# Altium PCB RFMC.PcbDoc (part 1 of 5) (continued)
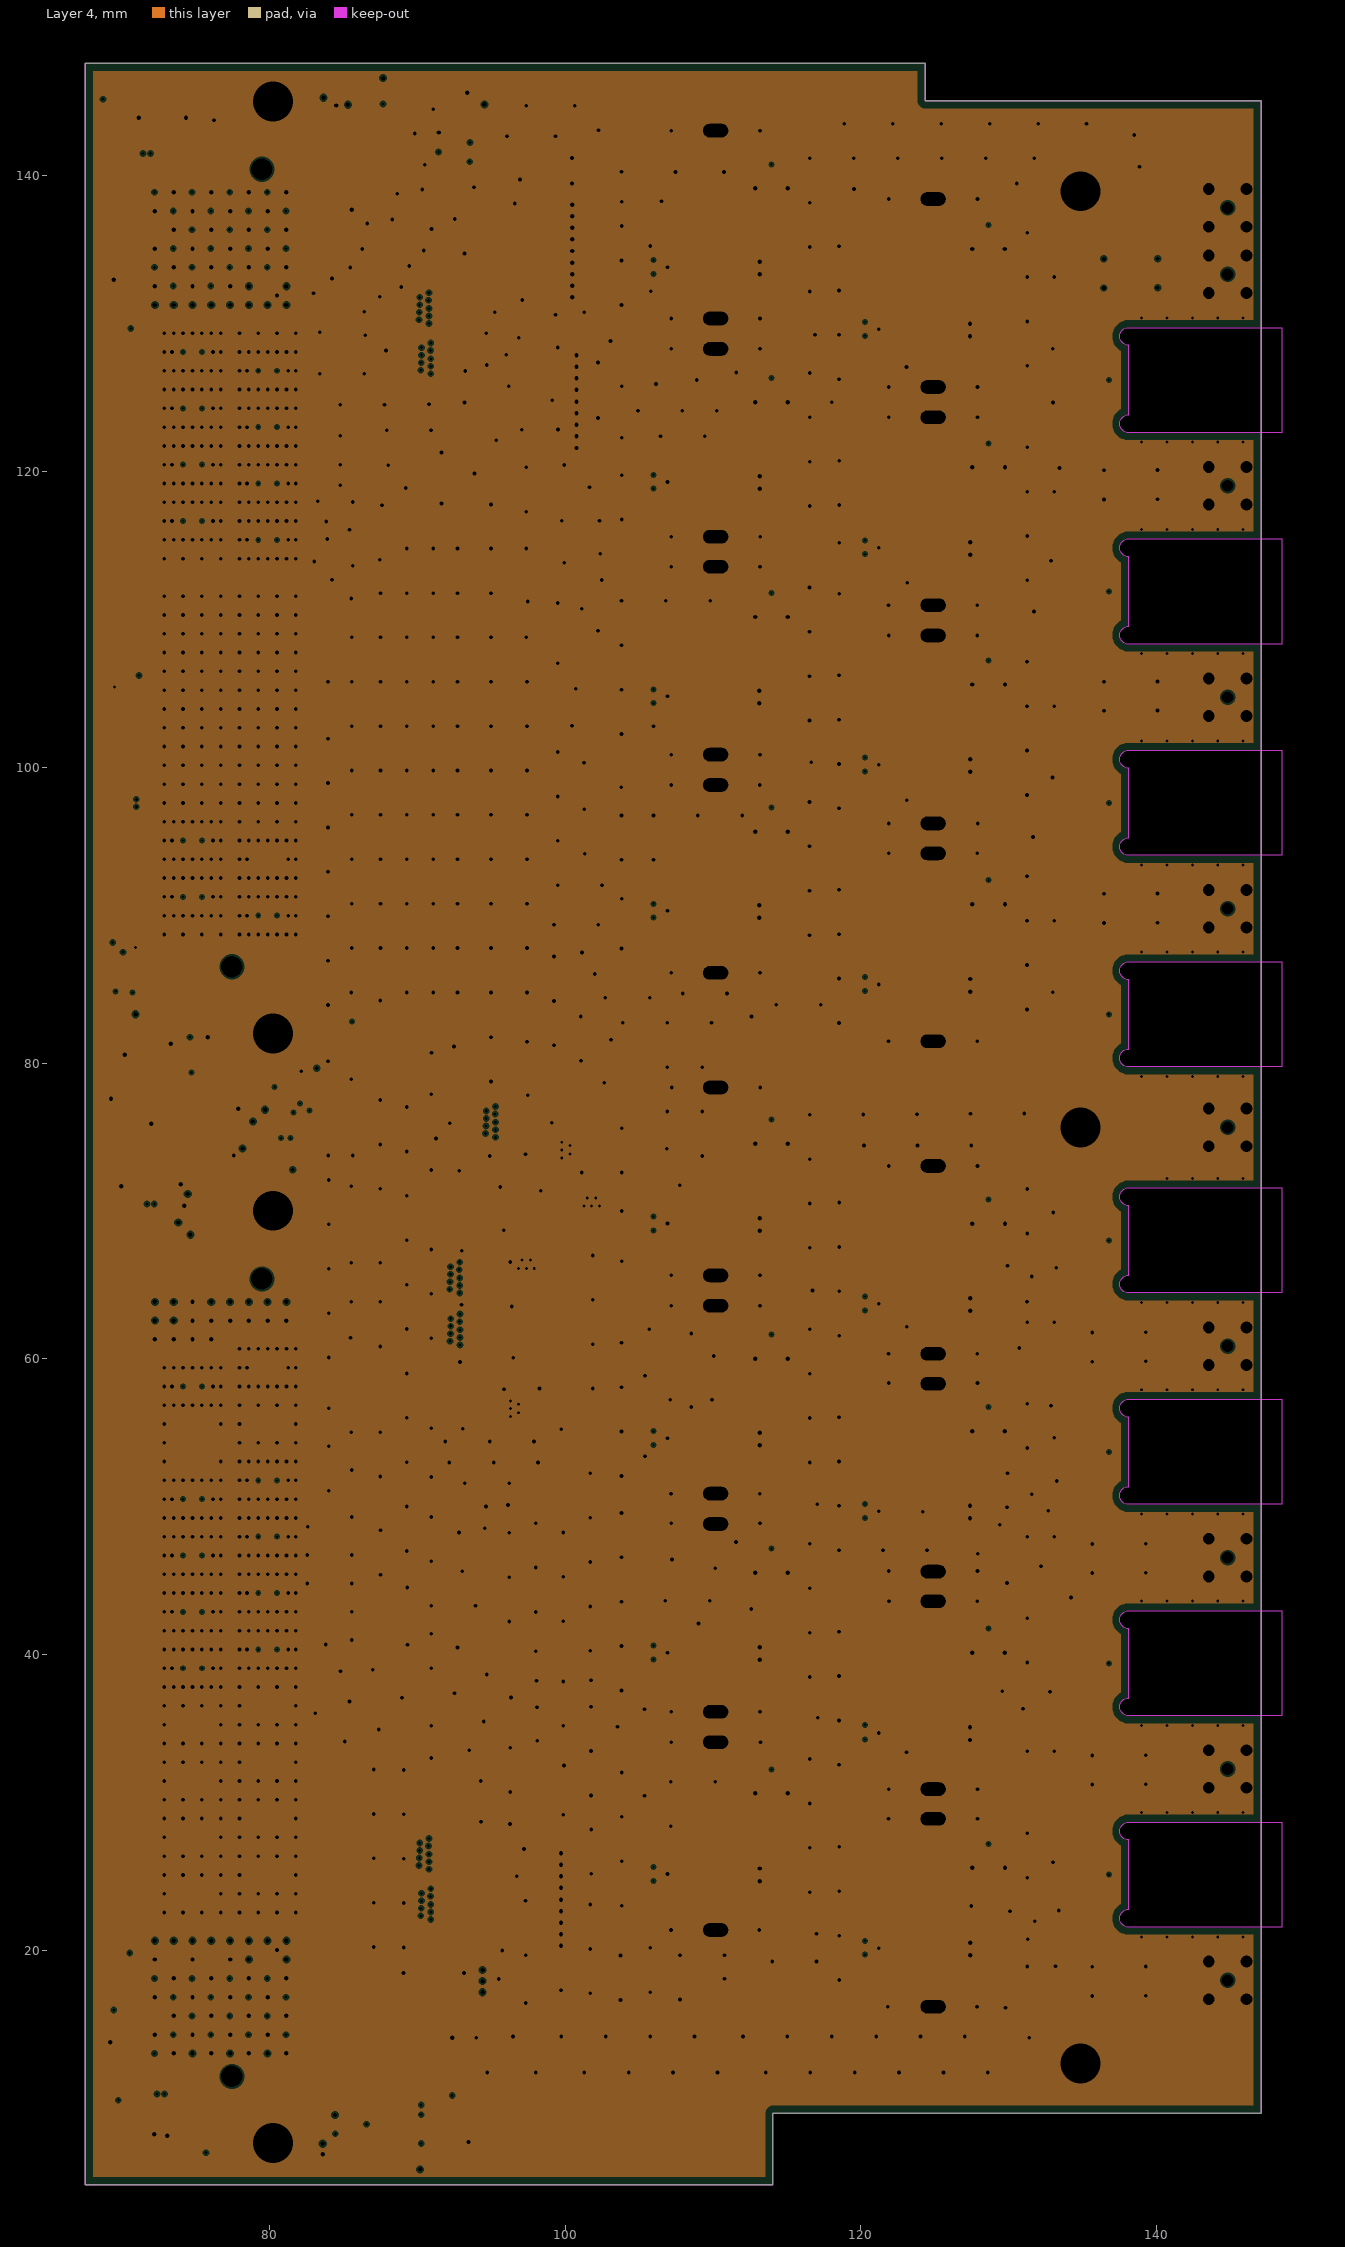
[diagram p5: Layer 4, clearances drawn from the general rule]
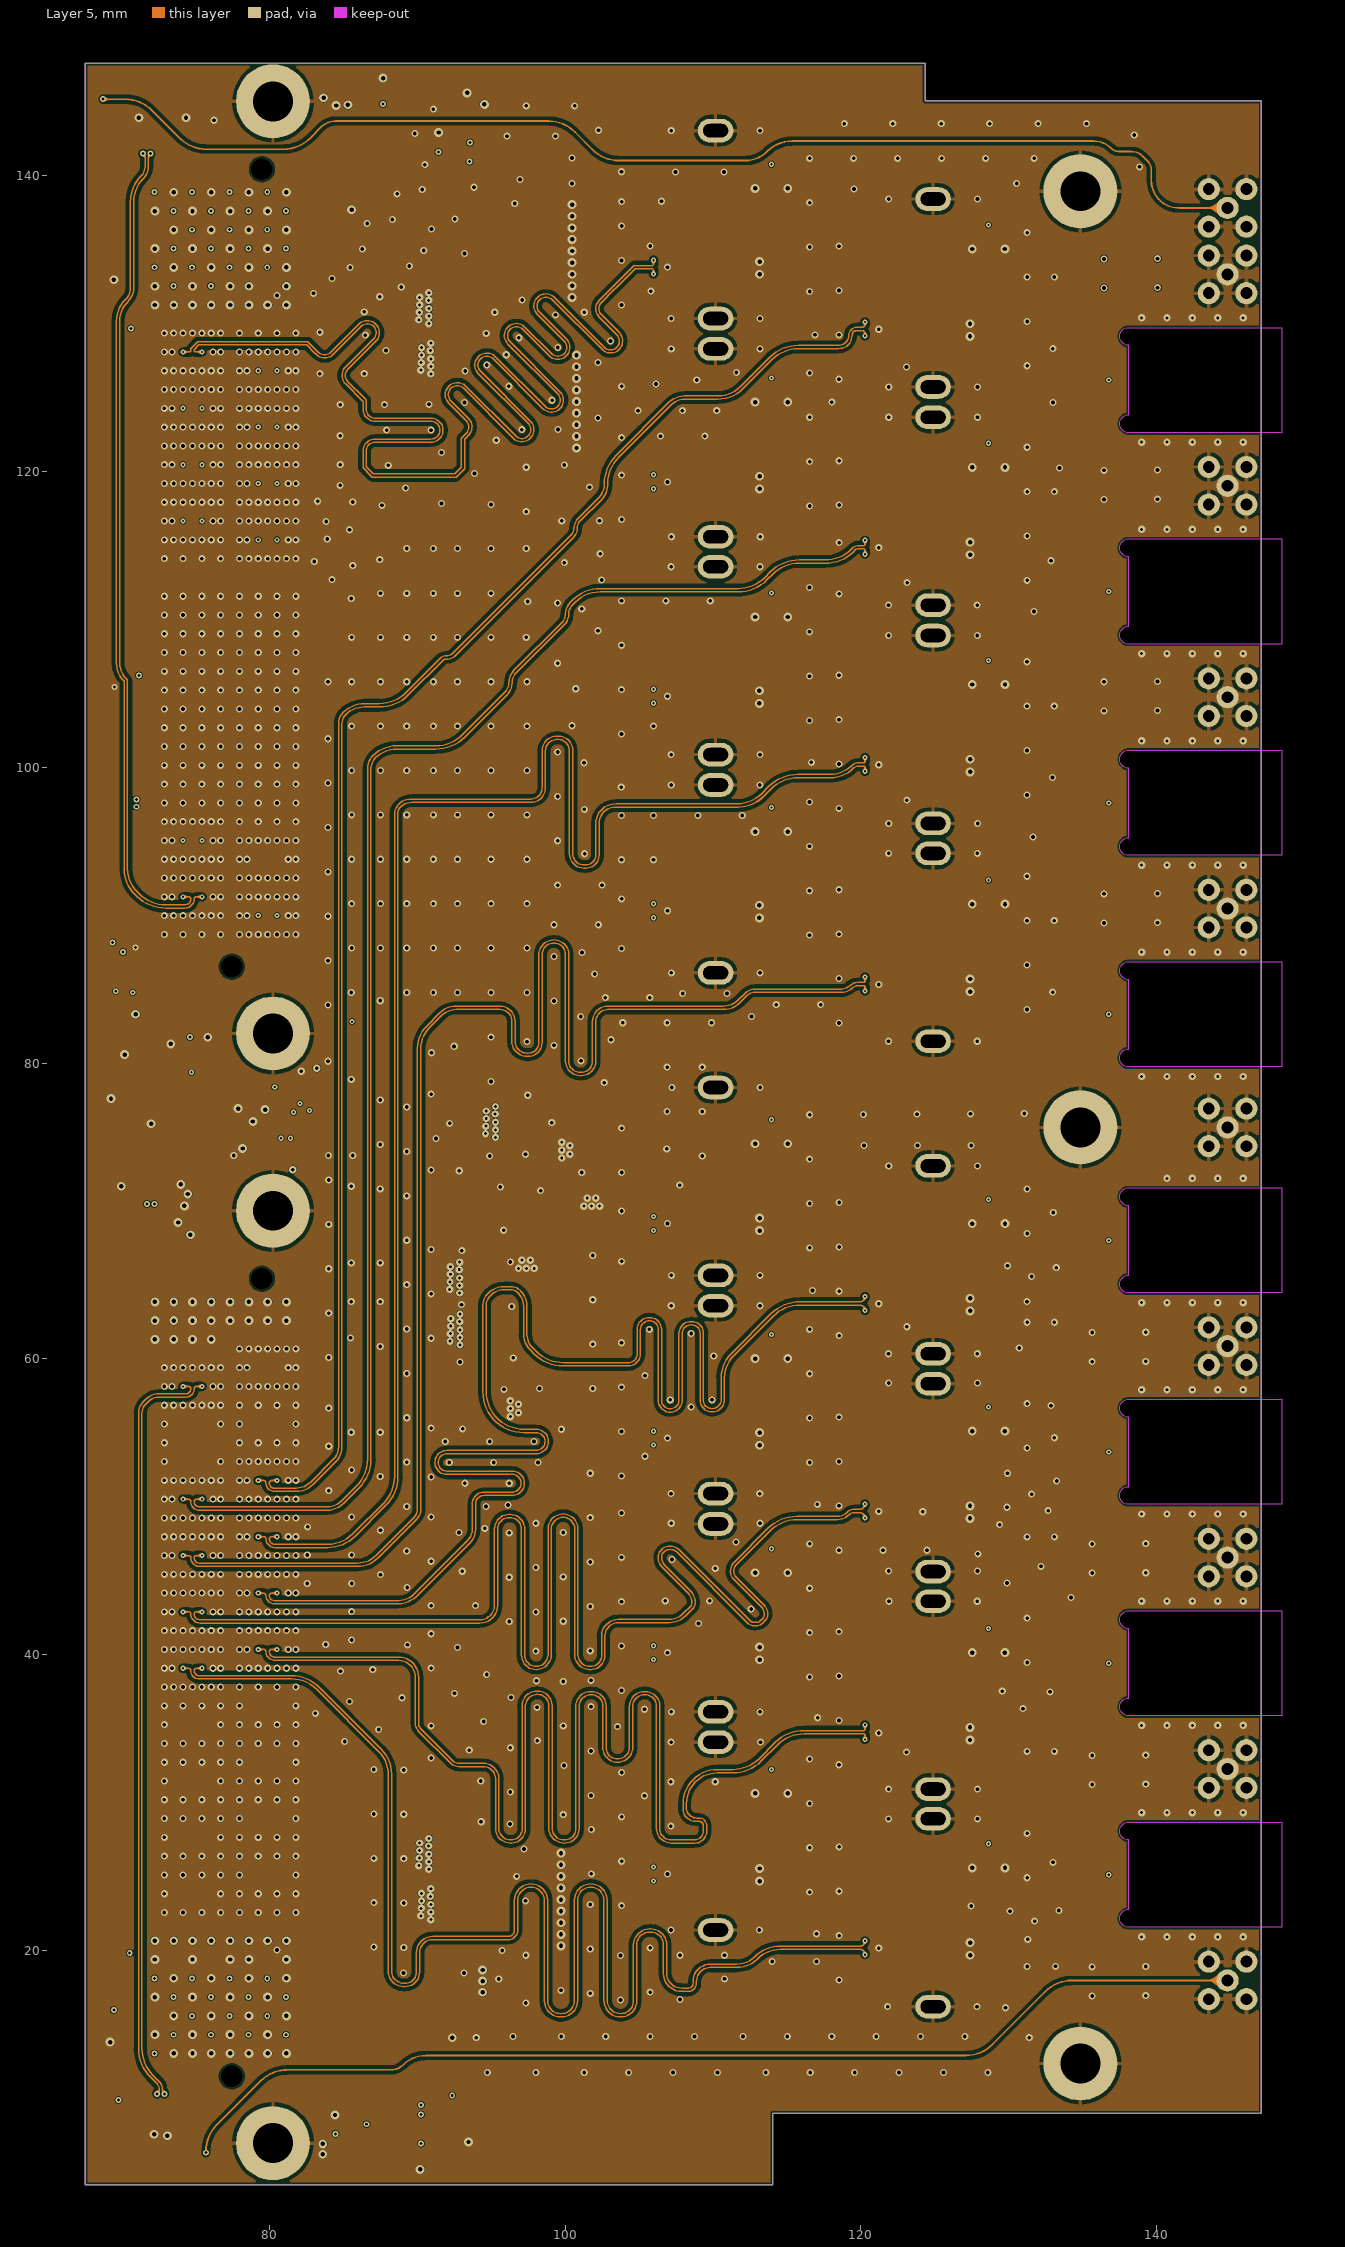
[diagram p6: Layer 5]
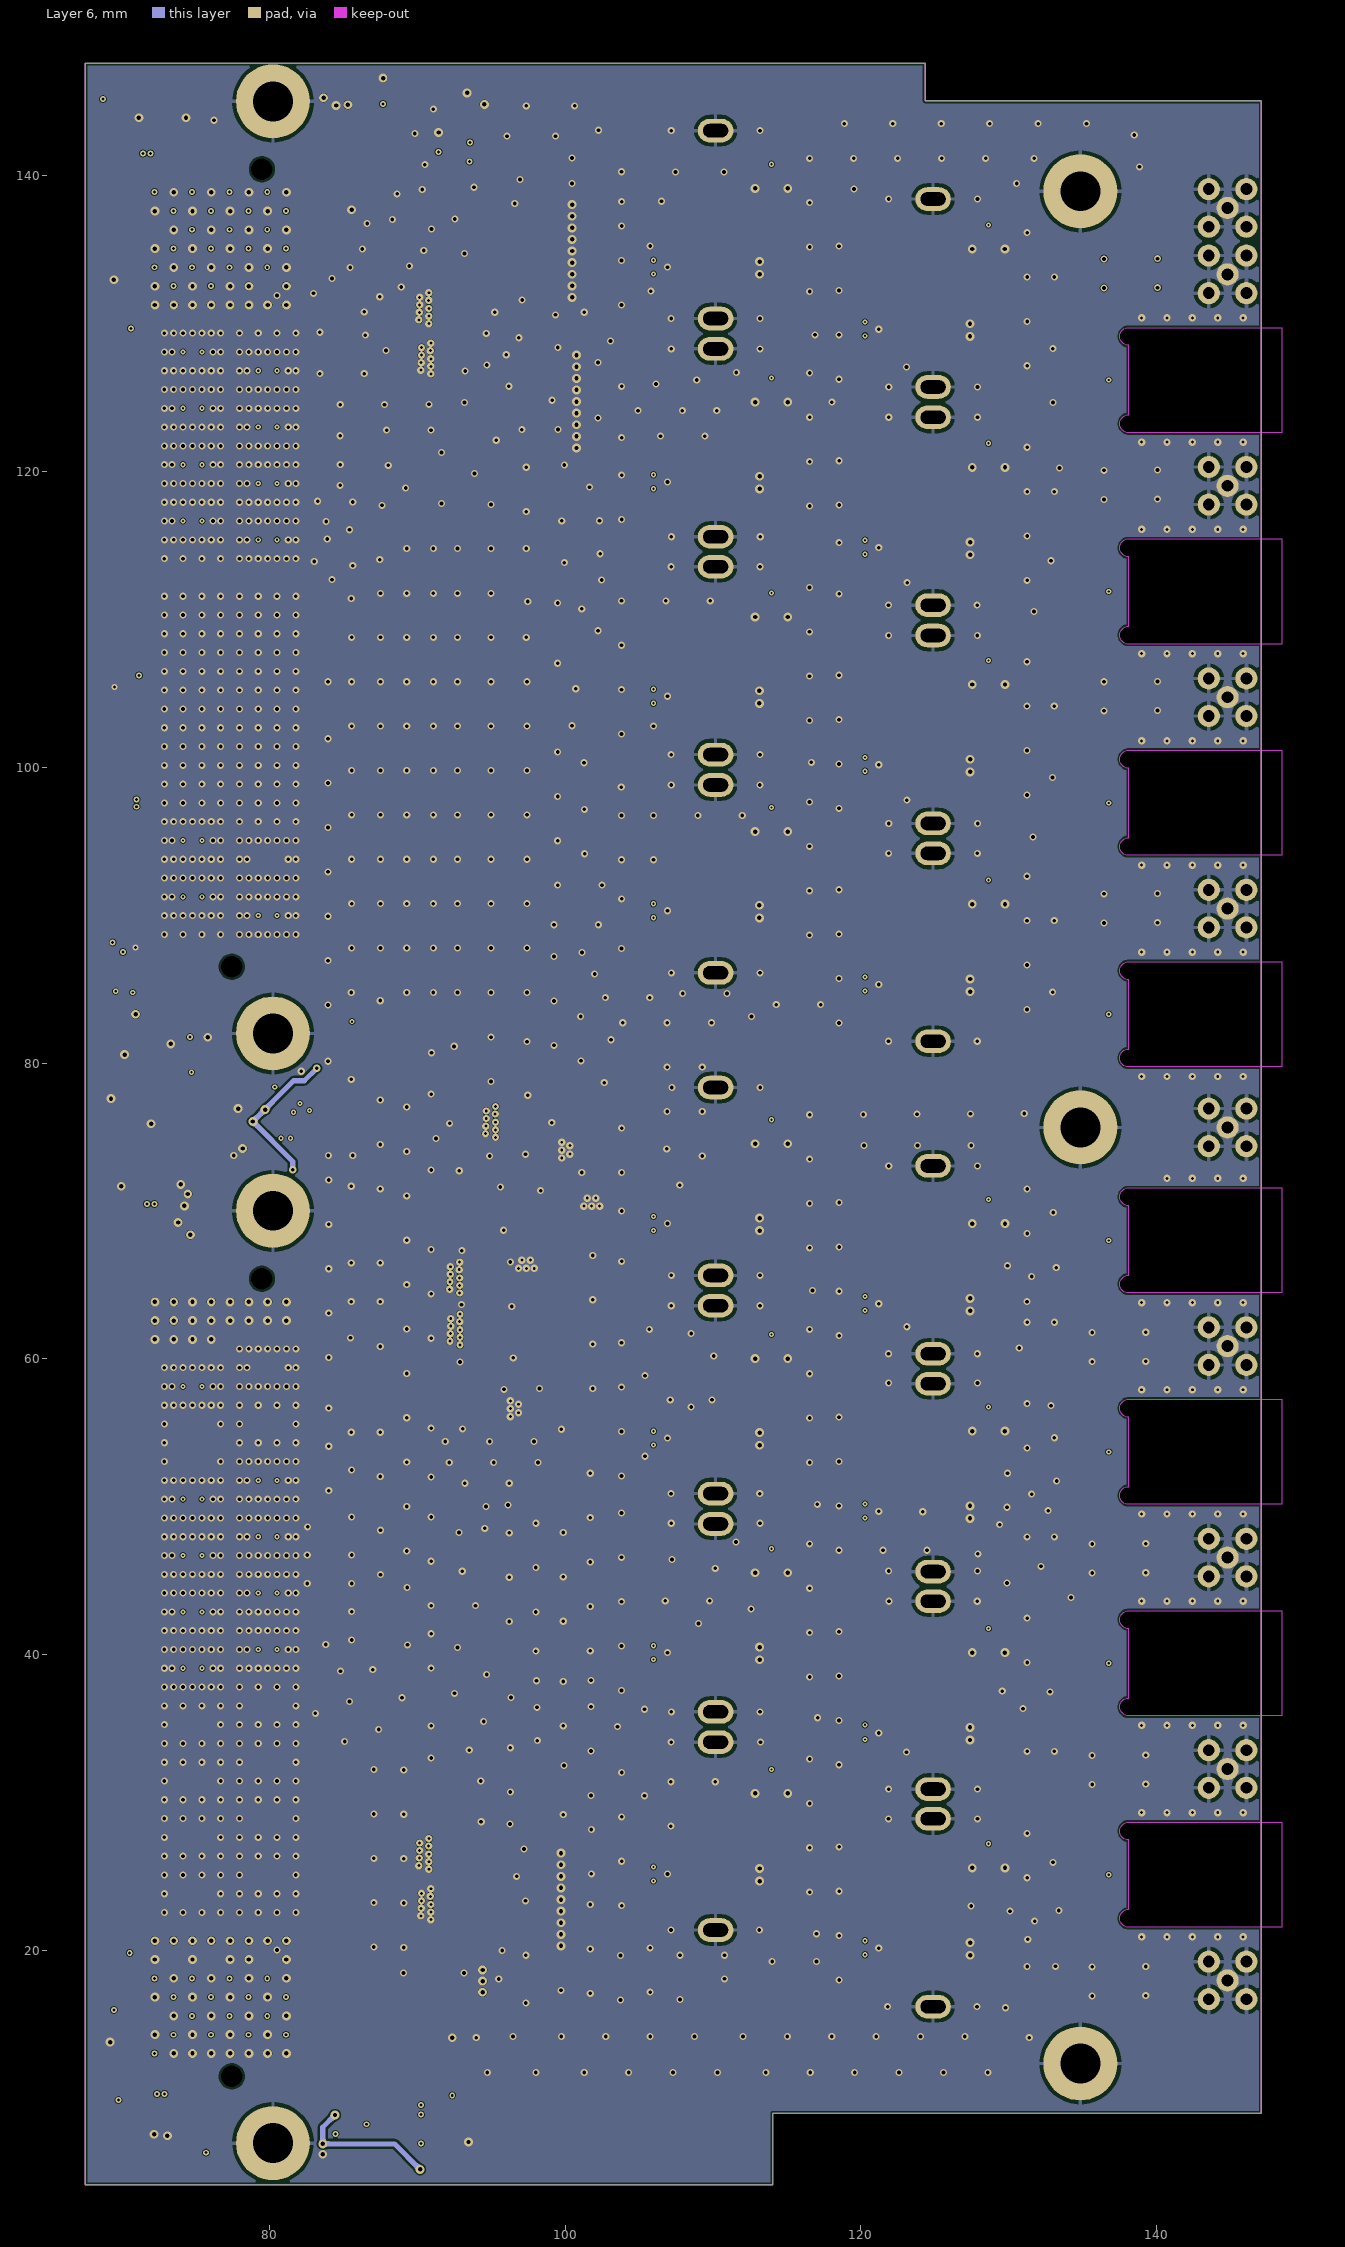
[diagram p7: Layer 6]
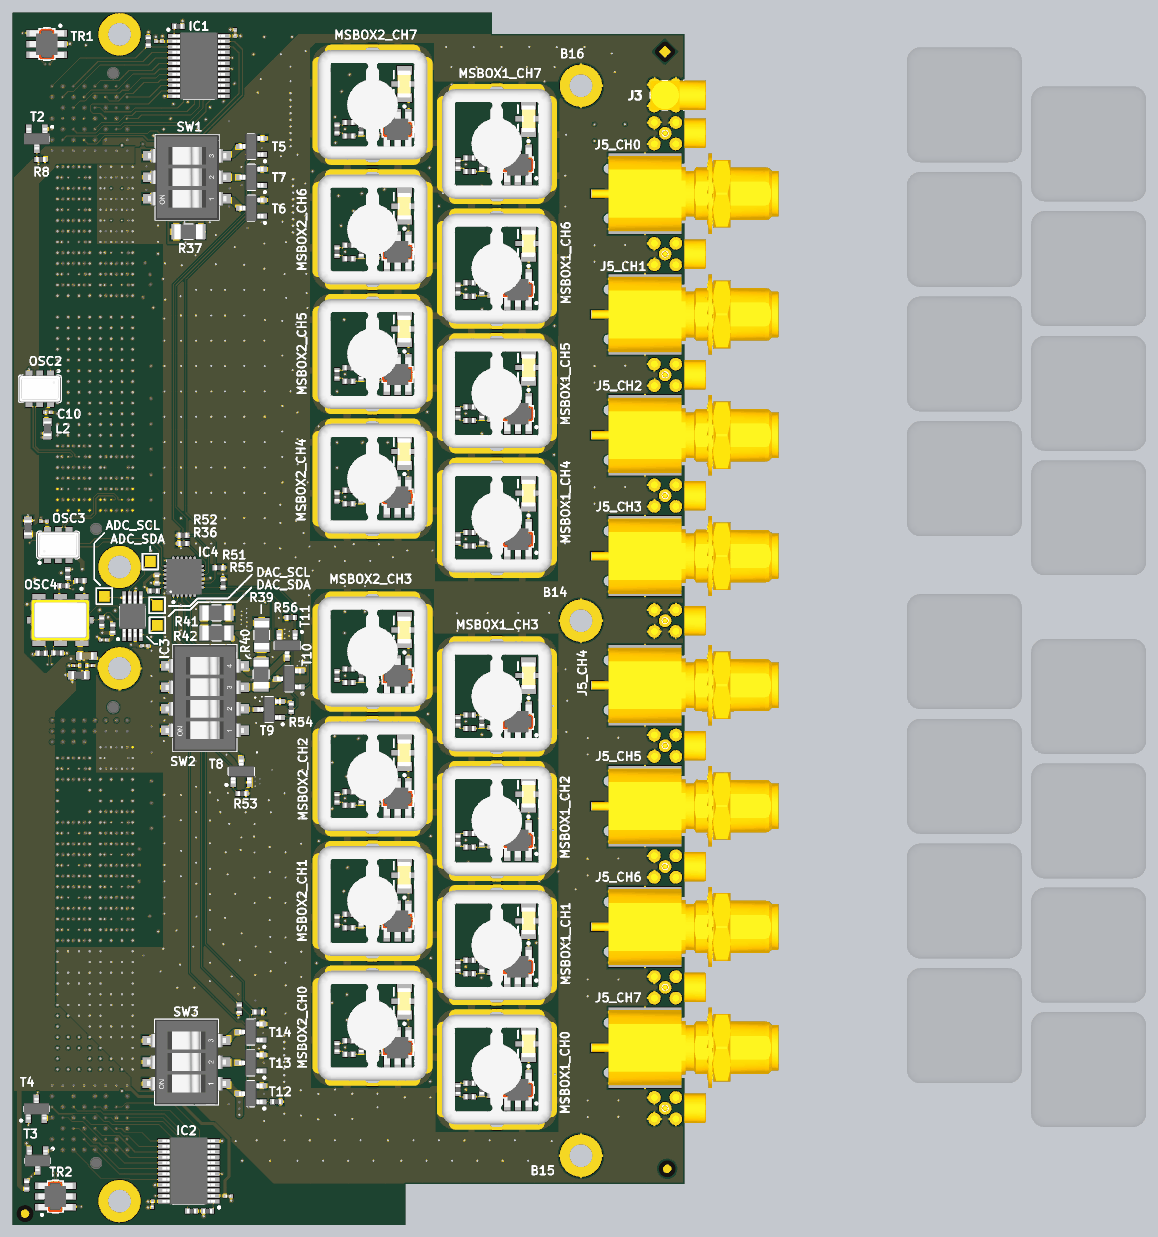
[diagram p12: 3D render of the assembled board from above, using the file's embedded part models]
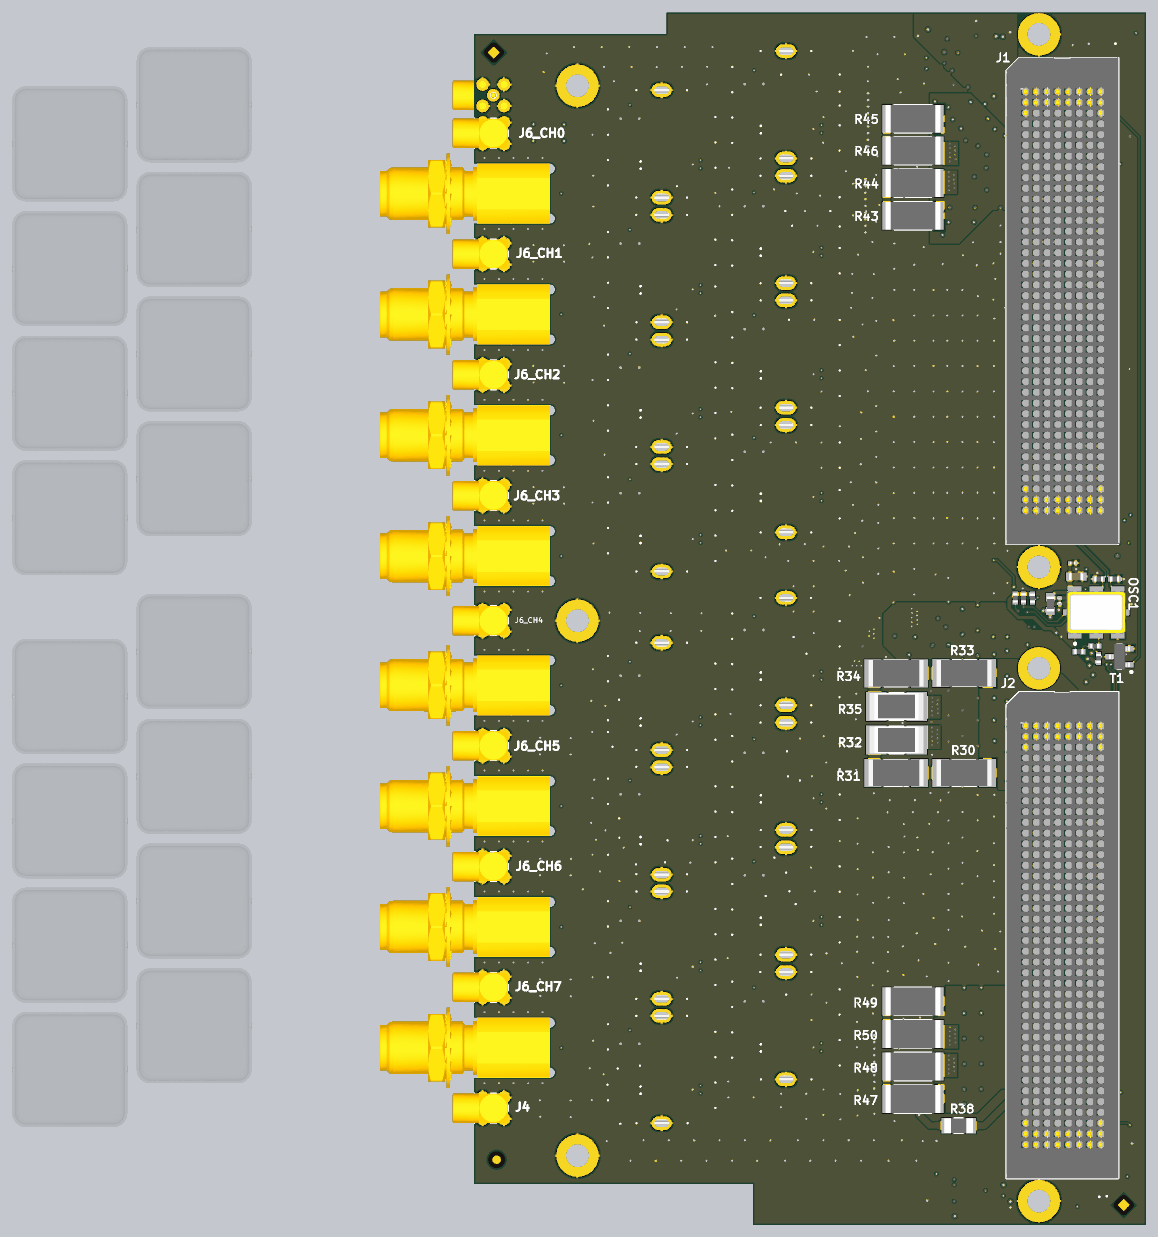
[diagram p13: 3D render of the assembled board from below, using the file's embedded part models]

## Layer stack, top to bottom
Top Solder: solder mask 0.0102, Solder Resist, Dk 3.5
Top Layer: signal copper 0.0356
Dielectric 1: dielectric 0.102, FR408HR, Dk 3.32
Layer 1: signal copper 0.0175
Dielectric 2: core 0.152, FR408HR, Dk 3.6
Layer 2: signal copper 0.0175
Dielectric 5: prepreg 0.107, FR408HR, Dk 3.57
Layer 3: plane copper 0.035, net GND
Dielectric 6: core 0.711, FR408HR, Dk 3.75
Layer 4: plane copper 0.035, net GND
Dielectric 3: prepreg 0.107, FR408HR, Dk 3.57
Layer 5: signal copper 0.0175
Dielectric 4: core 0.152, FR408HR, Dk 3.6
Layer 6: signal copper 0.0175
Dielectric 7: dielectric 0.102, FR408HR, Dk 3.32
Bottom Layer: signal copper 0.0356
Bottom Solder: solder mask 0.0102, Solder Resist, Dk 3.5

## Board outline
124.333,147.574 124.333,145.034 147.05,145.034 147.05,9.017 114.046,9.017 114.046,4.191 67.575,4.191 67.575,147.574

## Design rules (kind name [scope] priority, off if disabled: settings)
AcuteAngle [All] p1: minimum=6.00000000000000E+0001 checktracksonly=FALSE
Clearance Clearance_ANALOG [InNetClass('ANALOG')      or InNetClass('SE50')          or (InDifferentialPairClass('All Differential Pairs'))] p1: gap=0.1 ignorepadtopadclearanceinfootprint=FALSE except(0.09: Via-Poly; 0.152: SMDPad-Poly THPad-Poly Fill-Poly Poly-Poly Poly-Hole; 0.26: Arc-Poly Track-Poly)
Clearance [All] p2: gap=0.1 ignorepadtopadclearanceinfootprint=FALSE except(0.12: SMDPad-Fill SMDPad-Poly SMDPad-Region; 0.15: Arc-Fill Arc-Poly Arc-Region Track-Fill Track-Poly Track-Region THPad-Fill THPad-Poly THPad-Region Fill-Fill Fill-Poly Fill-Region Fill-Text Fill-Hole Poly-Poly Poly-Region Poly-Text Poly-Hole Region-Region Region-Text Region-Hole)
ComponentClearance [All] p1: gap=0.1 collisioncheckmode=3 verticalgap=0.1 showdistances=FALSE
DiffPairsRouting DiffPairsRouting_analog [InDifferentialPairClass('Analog')] p1: maxlimit=1.6 minlimit=0.113 mostfreqgap=0.13 midlayer1_mingap=0.13 midlayer1_maxgap=0.13 midlayer1_minwidth=0.093 midlayer1_maxwidth=0.093 midlayer1_prefwidth=0.093 midlayer3_mingap=0.13 midlayer3_maxgap=0.13 midlayer3_minwidth=0.093 midlayer3_maxwidth=0.093 midlayer3_prefwidth=0.093 impedanceprofiledriven=TRUE impedanceprofileid={3E936BE2-8C3E-4F47-AABB-C17789BFC11F} impedanceprofilevalue=100.000000 maxuncoupledlength=12.7
DiffPairsRouting [All] p2: maxlimit=1.6 minlimit=0.113 mostfreqgap=0.13 midlayer1_mingap=0.13 midlayer1_maxgap=0.13 midlayer1_minwidth=0.093 midlayer1_maxwidth=0.093 midlayer1_prefwidth=0.093 midlayer3_mingap=0.13 midlayer3_maxgap=0.13 midlayer3_minwidth=0.093 midlayer3_maxwidth=0.093 midlayer3_prefwidth=0.093 impedanceprofiledriven=TRUE impedanceprofileid={3E936BE2-8C3E-4F47-AABB-C17789BFC11F} impedanceprofilevalue=100.000000 maxuncoupledlength=12.7
HoleSize [All] p1: absolutevalues=TRUE maxlimit=2.7 minlimit=0.025 maxpercent=80.000 minpercent=20.000
MatchedLengths MatchedLengths_DACs [InxSignalClass('DACs')] p1: tolerance=5 checknetsindiffpair=FALSE checkdiffpairvsdiffpair=TRUE checkxsignals=TRUE checkothers=TRUE
MatchedLengths MatchedLengths_ADCs [InxSignalClass('ADCs')] p2: tolerance=5 checknetsindiffpair=FALSE checkdiffpairvsdiffpair=TRUE checkxsignals=TRUE checkothers=TRUE
PlaneClearance [All] p1: clearance=0.127
PlaneConnect [All] p1: pad.planeconnectstyle=Relief pad.reliefexpansion=0.127 pad.reliefentries=4 pad.reliefconductorwidth=0.127 pad.reliefairgap=0.127 via.planeconnectstyle=Direct via.reliefexpansion=0.508 via.reliefentries=4 via.reliefconductorwidth=0.254 via.reliefairgap=0.254
PolygonConnect [All] p1: thpad.connectstyle=Relief thpad.reliefconductorwidth=0.254 thpad.reliefentries=4 thpad.polygonreliefangle="90 Angle" thpad.airgapwidth=0.254 smdpad.connectstyle=Relief smdpad.reliefconductorwidth=0.254 smdpad.reliefentries=4 smdpad.polygonreliefangle="90 Angle" smdpad.airgapwidth=0.254 via.connectstyle=Direct via.reliefconductorwidth=0.254 via.reliefentries=4 via.polygonreliefangle="90 Angle" via.airgapwidth=0.254
RoomDefinition CH6 [InComponentClass('CH6')] p1: confinementstyle=ConfineIn formatcopy=TRUE lockcomponents=FALSE outline 102.575,28.55 155.3,28.55 155.3,50.15 102.575,50.15
RoomDefinition CH2 [InComponentClass('CH2')] p2: confinementstyle=ConfineIn formatcopy=TRUE lockcomponents=FALSE outline 102.57,93.195 155.295,93.195 155.295,114.795 102.57,114.795
RoomDefinition CH3 [InComponentClass('CH3')] p3: confinementstyle=ConfineIn formatcopy=TRUE lockcomponents=FALSE outline 102.57,78.695 155.295,78.695 155.295,100.295 102.57,100.295
RoomDefinition CH4 [InComponentClass('CH4')] p4: confinementstyle=ConfineIn formatcopy=TRUE lockcomponents=FALSE outline 89.25,49.725 155.305,49.725 155.305,83.955 89.25,83.955
RoomDefinition CH5 [InComponentClass('CH5')] p5: confinementstyle=ConfineIn formatcopy=TRUE lockcomponents=FALSE outline 102.575,43.05 155.3,43.05 155.3,64.65 102.575,64.65
RoomDefinition CH7 [InComponentClass('CH7')] p6: confinementstyle=ConfineIn formatcopy=TRUE lockcomponents=FALSE outline 102.58,14.005 155.305,14.005 155.305,35.605 102.58,35.605
RoomDefinition CH0 [InComponentClass('CH0')] p7: confinementstyle=ConfineIn formatcopy=TRUE lockcomponents=FALSE outline 102.575,122.2 155.3,122.2 155.3,143.8 102.575,143.8
RoomDefinition CH1 [InComponentClass('CH1')] p8: confinementstyle=ConfineIn formatcopy=TRUE lockcomponents=FALSE outline 102.58,107.695 155.305,107.695 155.305,129.295 102.58,129.295
RoutingVias [All] p1: holewidth=0.2 width=0.4 viastyle="Through Hole" minholewidth=0.1 minwidth=0.3 maxholewidth=0.711 maxwidth=1.27
SilkToSilkClearance [All] p1: silktosilkclearance=0.1
SilkToSolderMaskClearance [IsPad] p1: minsilkscreentomaskgap=0.005 clearancetoexposedcopper=TRUE
SolderMaskExpansion [All] p1: expansion=0.102 istentingtop=FALSE
Width Width_SE50 [InNetClass('SE50')] p1: maxlimit=0.254 minlimit=0.055 preferedwidth=0.165 toplayer_minwidth=0.218 toplayer_maxwidth=0.218 toplayer_prefwidth=0.218 midlayer1_minwidth=0.118 midlayer1_maxwidth=0.118 midlayer1_prefwidth=0.118 midlayer3_minwidth=0.118 midlayer3_maxwidth=0.118 midlayer3_prefwidth=0.118 bottomlayer_minwidth=0.218 bottomlayer_maxwidth=0.218 bottomlayer_prefwidth=0.218 impedanceprofiledriven=TRUE impedanceprofileid={1CA41AB2-2ADC-42A6-B74D-C1016752F001} impedanceprofilevalue=50.000000 minimp=50.000000 maximp=50.000000 favimp=50.000000
Width [All] p2: maxlimit=1.5 minlimit=0.076 preferedwidth=0.254 midlayer2_minwidth=0.254 midlayer3_minwidth=0.254 midlayer4_minwidth=0.254 minimp=50.000000 maximp=50.000000 favimp=50.000000
23 further rules are at their usual default settings.

## Classes and differential pairs
differential pair class Analog: ADC_CH0 ADC_CH1 ADC_CH2 ADC_CH3 ADC_CH4 ADC_CH5 ADC_CH6 ADC_CH7 DAC_CH0 DAC_CH1 DAC_CH2 DAC_CH3 DAC_CH4 DAC_CH5 DAC_CH6 DAC_CH7
net class ANALOG: ADC_CH0 ADC_CH0_N ADC_CH0_P ADC_CH1 ADC_CH1_N ADC_CH1_P ADC_CH2 ADC_CH2_N ADC_CH2_P ADC_CH3 ADC_CH3_N ADC_CH3_P ADC_CH4 ADC_CH4_N ADC_CH4_P ADC_CH5 ADC_CH5_N ADC_CH5_P ADC_CH6 ADC_CH6_N ADC_CH6_P ADC_CH7 ADC_CH7_N ADC_CH7_P DAC_CH0 DAC_CH0_N DAC_CH0_P DAC_CH1 DAC_CH1_N DAC_CH1_P DAC_CH2 DAC_CH2_N DAC_CH2_P DAC_CH3 DAC_CH3_N DAC_CH3_P DAC_CH4 DAC_CH4_N DAC_CH4_P DAC_CH5 DAC_CH5_N DAC_CH5_P DAC_CH6 DAC_CH6_N DAC_CH6_P DAC_CH7 DAC_CH7_N DAC_CH7_P NetFL1_CH0_1 NetFL1_CH1_1 NetFL1_CH2_1 NetFL1_CH3_1 NetFL1_CH4_1 NetFL1_CH5_1 NetFL1_CH6_1 NetFL1_CH7_1 NetFL2_CH0_1 NetFL2_CH1_1 NetFL2_CH2_1 NetFL2_CH3_1 NetFL2_CH4_1 NetFL2_CH5_1 NetFL2_CH6_1 NetFL2_CH7_1
net class SE50: ADC_CH0 ADC_CH1 ADC_CH2 ADC_CH3 ADC_CH4 ADC_CH5 ADC_CH6 ADC_CH7 DAC_CH0 DAC_CH1 DAC_CH2 DAC_CH3 DAC_CH4 DAC_CH5 DAC_CH6 DAC_CH7 NetFL1_CH0_1 NetFL1_CH1_1 NetFL1_CH2_1 NetFL1_CH3_1 NetFL1_CH4_1 NetFL1_CH5_1 NetFL1_CH6_1 NetFL1_CH7_1 NetFL2_CH0_1 NetFL2_CH1_1 NetFL2_CH2_1 NetFL2_CH3_1 NetFL2_CH4_1 NetFL2_CH5_1 NetFL2_CH6_1 NetFL2_CH7_1 NetJ3_1 NetJ4_1
channel class ADC_DAC_channel: CH0 CH1 CH2 CH3 CH4 CH5 CH6 CH7
net class PWR: NetC1_2 NetC14_2
component class RFMC: C1 C2 C3 C4 C5 C6 C7 C8 C10 C13 C14 C15 C16 C17 C20 FTG1 FTG2 FTG3 FTG4 FTG5 FTG6 IC1 IC2 IC3 IC4 J3 J4 L1 L2 L3 L4 OSC1 OSC2 OSC3 OSC4 R1 R2 R3 R4 R5 R6 R7 R8 R9 R10 R11 R12 R13 R14 R15 R16 R25 R26 R27 R28 R29 R30 R31 R32 R33 R34 R35 R36 R37 R38 R39 R40 R41 R42 R43 R44 R45 R46 R47 R48 R49 R50 R51 R52 R53 R54 R55 R56 R57 R58 R59 R60 SW1 SW2 SW3 T1 T2 T3 T4 T5 T6 T7 T8 T9 T10 T11 T12 T13 T14 TP1 TP2 TP3 TP4 TR1 TR2
component class CH7: C21_CH7 C22_CH7 C23_CH7 C24_CH7 FL1_CH7 FL2_CH7 J5_CH7 J6_CH7 MSBOX1_CH7 MSBOX2_CH7 MSBOXC1_CH7 MSBOXC2_CH7 R17_CH7 R18_CH7 R19_CH7 R20_CH7 R21_CH7 R22_CH7 R23_CH7 R24_CH7 TR3_CH7 TR4_CH7
component class CH6: C21_CH6 C22_CH6 C23_CH6 C24_CH6 FL1_CH6 FL2_CH6 J5_CH6 J6_CH6 MSBOX1_CH6 MSBOX2_CH6 MSBOXC1_CH6 MSBOXC2_CH6 R17_CH6 R18_CH6 R19_CH6 R20_CH6 R21_CH6 R22_CH6 R23_CH6 R24_CH6 TR3_CH6 TR4_CH6
component class CH5: C21_CH5 C22_CH5 C23_CH5 C24_CH5 FL1_CH5 FL2_CH5 J5_CH5 J6_CH5 MSBOX1_CH5 MSBOX2_CH5 MSBOXC1_CH5 MSBOXC2_CH5 R17_CH5 R18_CH5 R19_CH5 R20_CH5 R21_CH5 R22_CH5 R23_CH5 R24_CH5 TR3_CH5 TR4_CH5
component class CH4: C21_CH4 C22_CH4 C23_CH4 C24_CH4 FL1_CH4 FL2_CH4 J5_CH4 J6_CH4 MSBOX1_CH4 MSBOX2_CH4 MSBOXC1_CH4 MSBOXC2_CH4 R17_CH4 R18_CH4 R19_CH4 R20_CH4 R21_CH4 R22_CH4 R23_CH4 R24_CH4 TR3_CH4 TR4_CH4
component class CH3: C21_CH3 C22_CH3 C23_CH3 C24_CH3 FL1_CH3 FL2_CH3 J5_CH3 J6_CH3 MSBOX1_CH3 MSBOX2_CH3 MSBOXC1_CH3 MSBOXC2_CH3 R17_CH3 R18_CH3 R19_CH3 R20_CH3 R21_CH3 R22_CH3 R23_CH3 R24_CH3 TR3_CH3 TR4_CH3
component class CH2: C21_CH2 C22_CH2 C23_CH2 C24_CH2 FL1_CH2 FL2_CH2 J5_CH2 J6_CH2 MSBOX1_CH2 MSBOX2_CH2 MSBOXC1_CH2 MSBOXC2_CH2 R17_CH2 R18_CH2 R19_CH2 R20_CH2 R21_CH2 R22_CH2 R23_CH2 R24_CH2 TR3_CH2 TR4_CH2
component class CH1: C21_CH1 C22_CH1 C23_CH1 C24_CH1 FL1_CH1 FL2_CH1 J5_CH1 J6_CH1 MSBOX1_CH1 MSBOX2_CH1 MSBOXC1_CH1 MSBOXC2_CH1 R17_CH1 R18_CH1 R19_CH1 R20_CH1 R21_CH1 R22_CH1 R23_CH1 R24_CH1 TR3_CH1 TR4_CH1
component class CH0: C21_CH0 C22_CH0 C23_CH0 C24_CH0 FL1_CH0 FL2_CH0 J5_CH0 J6_CH0 MSBOX1_CH0 MSBOX2_CH0 MSBOXC1_CH0 MSBOXC2_CH0 R17_CH0 R18_CH0 R19_CH0 R20_CH0 R21_CH0 R22_CH0 R23_CH0 R24_CH0 TR3_CH0 TR4_CH0
net class DACIO_[0..19]: DACIO_0 DACIO_1 DACIO_2 DACIO_3 DACIO_4 DACIO_5 DACIO_6 DACIO_7 DACIO_8 DACIO_9 DACIO_10 DACIO_11 DACIO_12 DACIO_13 DACIO_14 DACIO_15 DACIO_16 DACIO_17 DACIO_18 DACIO_19
net class ADCIO_[0..19]: ADCIO_0 ADCIO_1 ADCIO_2 ADCIO_3 ADCIO_4 ADCIO_5 ADCIO_6 ADCIO_7 ADCIO_8 ADCIO_9 ADCIO_10 ADCIO_11 ADCIO_12 ADCIO_13 ADCIO_14 ADCIO_15 ADCIO_16 ADCIO_17 ADCIO_18 ADCIO_19
component class U_RFMC_DAC: B1 B2 B3 B4 J2
component class U_RFMC_ADC: B14 B15 B16 J1
differential pair DAC_CH7: +DAC_CH7_P -DAC_CH7_N
differential pair DAC_CH6: +DAC_CH6_P -DAC_CH6_N
differential pair DAC_CH5: +DAC_CH5_P -DAC_CH5_N
differential pair DAC_CH4: +DAC_CH4_P -DAC_CH4_N
differential pair DAC_CH3: +DAC_CH3_P -DAC_CH3_N
differential pair DAC_CH2: +DAC_CH2_P -DAC_CH2_N
differential pair DAC_CH1: +DAC_CH1_P -DAC_CH1_N
differential pair DAC_CH0: +DAC_CH0_P -DAC_CH0_N
differential pair ADC_CH7: +ADC_CH7_P -ADC_CH7_N
differential pair ADC_CH6: +ADC_CH6_P -ADC_CH6_N
differential pair ADC_CH5: +ADC_CH5_P -ADC_CH5_N
differential pair ADC_CH4: +ADC_CH4_P -ADC_CH4_N
differential pair ADC_CH3: +ADC_CH3_P -ADC_CH3_N
differential pair ADC_CH2: +ADC_CH2_P -ADC_CH2_N
differential pair ADC_CH1: +ADC_CH1_P -ADC_CH1_N
differential pair ADC_CH0: +ADC_CH0_P -ADC_CH0_N
differential pair ADCLK3: +ADCLK3_P -ADCLK3_N
differential pair ADCLK2: +ADCLK2_P -ADCLK2_N
differential pair ADCLK1: +ADCLK1_P -ADCLK1_N
differential pair ADCLK0: +ADCLK0_P -ADCLK0_N
differential pair DACLK_IN1: +DACLK_IN1_P -DACLK_IN1_N
differential pair DACLK_IN0: +DACLK_IN0_P -DACLK_IN0_N
